# KiCad board 4-ch-backplane.kicad_pcb (continued)
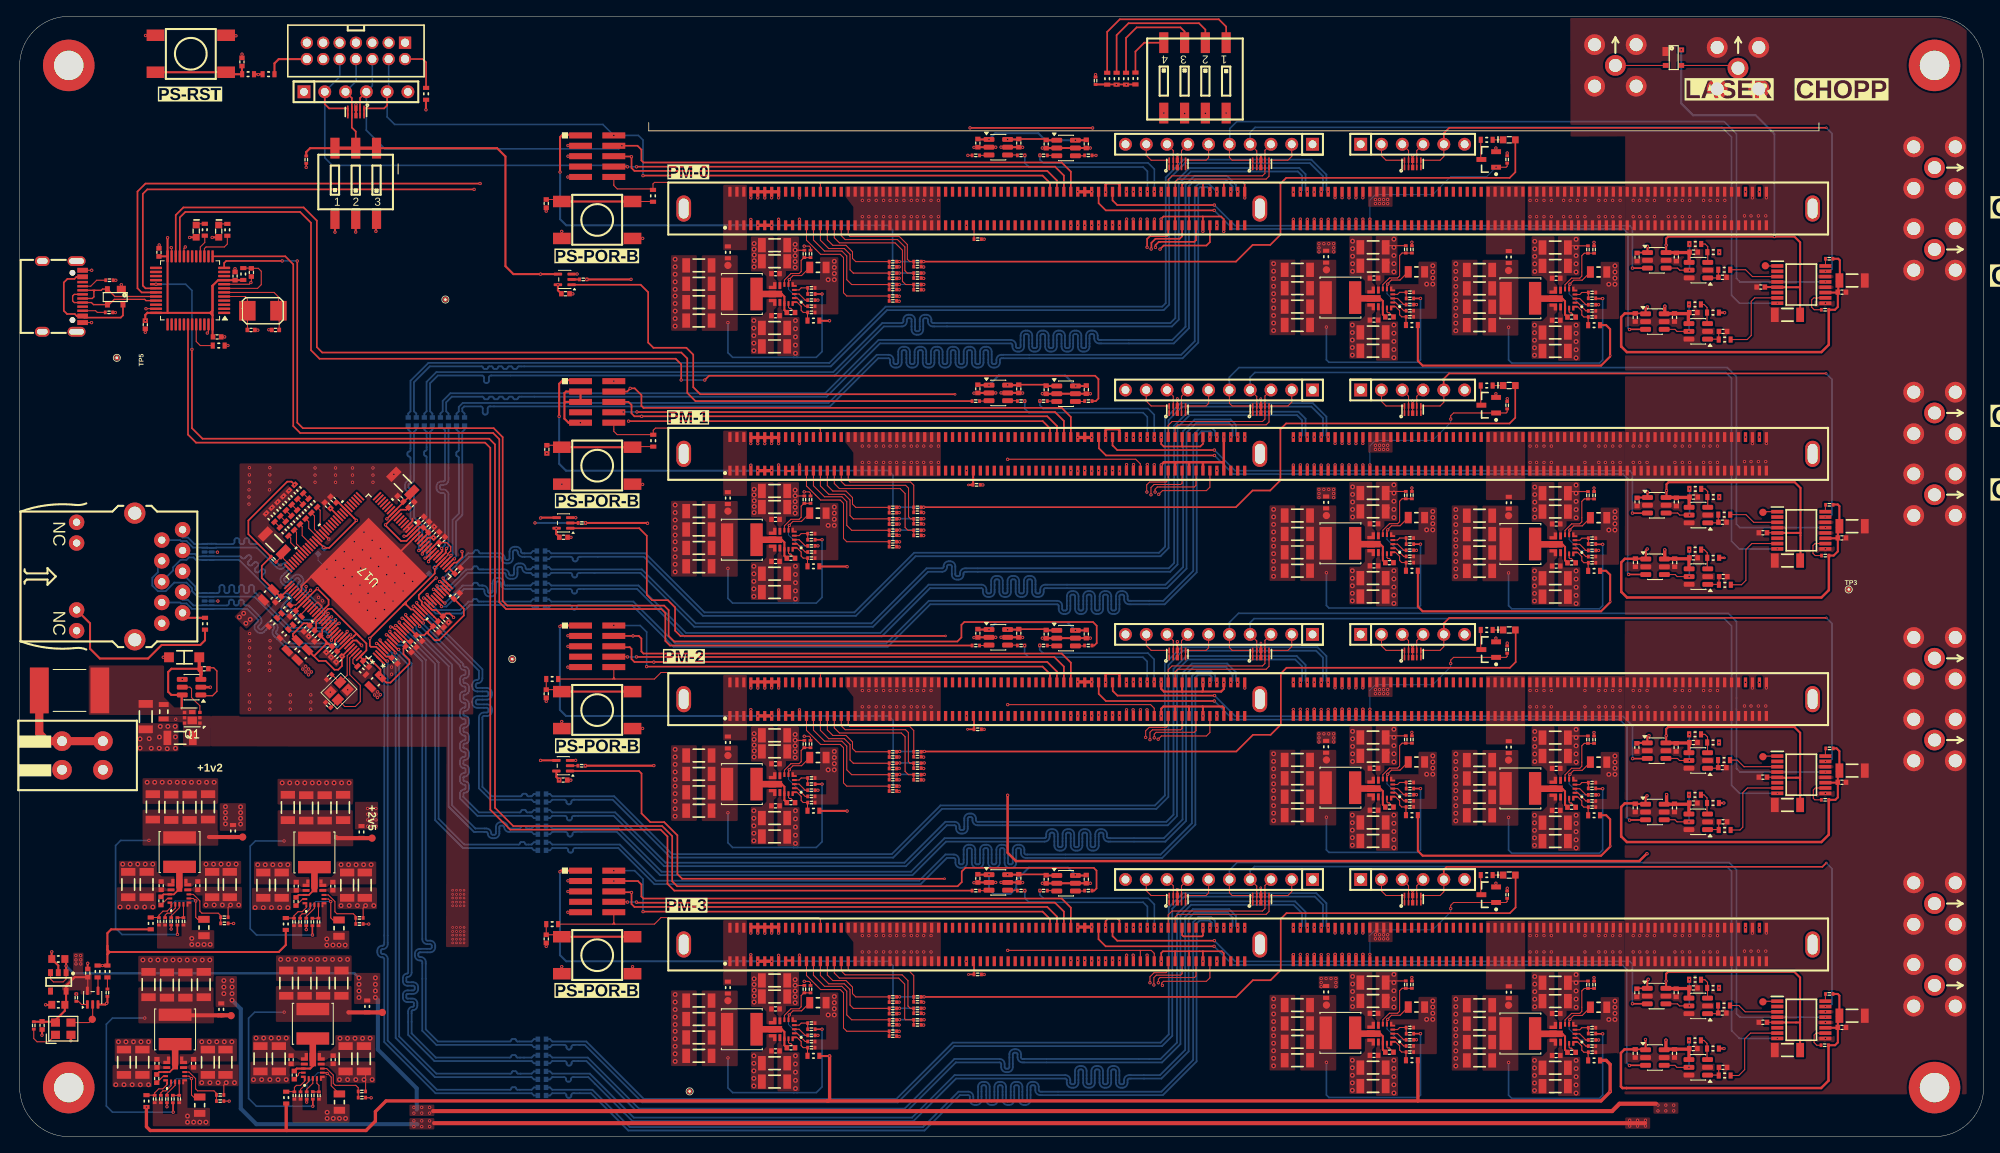
[diagram p0: board, top side]
## Placement (name value [footprint] x y rotation side) (continued)
J22  1x6 Header  [100_1_6]  170.23 121.36 0 top
J23  1x6 Header  [100_1_6]  170.23 91.31 0 top
J24  1x6 Header  [100_1_6]  41.09 127.77 0 top
J26  KH-SMA-K513-G  [SMA-J-P-RA-TH1]  234 58.5 270 top
J27  KH-SMA-K513-G  [SMA-J-P-RA-TH1]  234 48.5 270 top
J28  1x6 Header  [100_1_6]  170.23 61.42 0 top
J29  1x10 Header  [100_1_10]  146.56 61.42 180 top
J32  KH-SMA-K513-G  [SMA-J-P-RA-TH1]  234 28.5 270 top
J33  KH-SMA-K513-G  [SMA-J-P-RA-TH1]  234 18.5 270 top
J34  1x6 Header  [100_1_6]  170.23 31.44 0 top
J35  ~  [90414-15011-21]  150.12 23.5 0 top
J36  1x10 Header  [100_1_10]  146.56 31.44 180 top
J37  20021121-00010T4LF  [FTSH-105-05-F-DV]  70.57 59.96 270 top
J40  20021121-00010T4LF  [FTSH-105-05-F-DV]  70.57 29.99 270 top
L4  2.2UH 4.7A  [IND_VLS5045EX-3R3N]  161.4 102.61 180 top
L5  3.3 µH 4.2A  [IND_VLS5045EX-3R3N]  183.39 102.52 180 top
L6  3.3 µH 4.2A  [IND_VLS5045EX-3R3N]  88.25 103.05 180 top
L7  3.3 µH 4.2A  [IND_VLS5045EX-3R3N]  35.83 13.8 90 top
L8  3.3 µH 4.2A  [IND_VLS5045EX-3R3N]  36.02 34.76 90 top
L9  2.2UH 4.7A  [IND_VLS5045EX-3R3N]  19.54 34.79 90 top
L11  3.3 µH 4.2A  [IND_VLS5045EX-3R3N]  19 13.11 90 top
L12  3.3 µH 4.2A  [IND_VLS5045EX-3R3N]  88.25 73 180 top
L13  3.3 µH 4.2A  [IND_VLS5045EX-3R3N]  183.39 72.47 180 top
L14  2.2UH 4.7A  [IND_VLS5045EX-3R3N]  161.4 72.56 180 top
L15  3.3 µH 4.2A  [IND_VLS5045EX-3R3N]  88.25 43.11 180 top
L16  3.3 µH 4.2A  [IND_VLS5045EX-3R3N]  183.39 42.58 180 top
L17  2.2UH 4.7A  [IND_VLS5045EX-3R3N]  161.4 42.67 180 top
L18  3.3 µH 4.2A  [IND_VLS5045EX-3R3N]  88.25 13.13 180 top
L19  3.3 µH 4.2A  [IND_VLS5045EX-3R3N]  183.39 12.61 180 top
L20  2.2UH 4.7A  [IND_VLS5045EX-3R3N]  161.4 12.7 180 top
M1  -  [M3]  6 6 0 top
M2  -  [M3]  6 131 0 top
M3  -  [M3]  234 131 0 top
M4  -  [M3]  234 6 0 top
Q1  HSCB6014  [Diodes_UDFN2020-6_Type-F]  21.09 51.23 180 top
Q4  FDV301N  [SOT-23]  179.52 119.5 180 top
Q5  FDV301N  [SOT-23]  179.52 89.45 180 top
Q6  FDV301N  [SOT-23]  179.52 59.56 180 top
Q7  FDV301N  [SOT-23]  179.52 29.59 180 top
R1  40.2kΩ  [R0402_0.40MM_HD]  35.77 26.26 270 top
R2  14kΩ  [R0402_0.40MM_HD]  19.28 26.33 270 top
R3  100Ω  [R0603_0.55MM_HD]  77.4 115.05 90 top
R4  100Ω  [R0603_0.55MM_HD]  77.43 85.11 90 top
R5  40.2kΩ  [R0402_0.40MM_HD]  34.27 26.26 90 top
R6  10kΩ  [R0402_0.40MM_HD]  131.47 129.12 270 top
R7  3.74kΩ  [R0402_0.40MM_HD]  170.14 108.51 270 top
R8  4.7kΩ  [R0603_0.55MM_HD]  24.32 96.74 180 top
R9  26.1kΩ  [R0402_0.40MM_HD]  18.72 4.6 270 top
R10  3.74kΩ  [R0402_0.40MM_HD]  192.4 108.49 270 top
R11  3.74kΩ  [R0402_0.40MM_HD]  96.64 107.95 270 top
R12  3.74kΩ  [R0402_0.40MM_HD]  41.82 4.78 180 top
R13  10kΩ  [R0402_0.40MM_HD]  31.03 70.6 135 top
R14  3.74kΩ  [R0402_0.40MM_HD]  170.14 78.46 270 top
R15  3.74kΩ  [R0402_0.40MM_HD]  192.4 78.44 270 top
R16  10kΩ  [R0402_0.40MM_HD]  6.92 17 90 top
R17  100Ω  [R0603_0.55MM_HD]  206.96 108.16 180 top
R18  100Ω  [R0603_0.55MM_HD]  204.76 109.16 180 top  (not fitted)
R19  100Ω  [R0603_0.55MM_HD]  204.76 79.21 180 top  (not fitted)
R20  100Ω  [R0603_0.55MM_HD]  206.96 78.21 180 top
R21  3.74kΩ  [R0402_0.40MM_HD]  96.64 77.9 270 top
R22  100Ω  [R0603_0.55MM_HD]  206.93 100.77 180 top
R23  10kΩ  [R0402_0.40MM_HD]  1.72 13.6 90 top
R24  12kΩ  [R0402_0.40MM_HD]  169.89 100.26 180 top  (not fitted)
R25  12kΩ  [R0402_0.40MM_HD]  192.15 100.24 180 top  (not fitted)
R26  1kΩ  [R0603_0.55MM_HD]  179.27 121.9 0 top
R27  1kΩ  [R0603_0.55MM_HD]  179.27 91.85 0 top
R28  10kΩ  [R0402_0.40MM_HD]  117.07 109.75 180 top
R29  10kΩ  [R0402_0.40MM_HD]  116.94 79.71 180 top
R30  90.9kΩ  [R0402_0.40MM_HD]  35.82 5.04 270 top
R31  90.9kΩ  [R0402_0.40MM_HD]  181.77 119.5 270 top
R32  3.74kΩ  [R0402_0.40MM_HD]  41.52 26.01 180 top
R33  3.74kΩ  [R0402_0.40MM_HD]  25.02 26.08 180 top
R34  3.74kΩ  [R0402_0.40MM_HD]  24.5 4.35 180 top
R35  100Ω  [R0603_0.55MM_HD]  206.95 70.79 180 top
R36  10kΩ  [R0402_0.40MM_HD]  169.89 101.76 0 top
R37  24.9kΩ  [R0402_0.40MM_HD]  169.39 108.51 90 top
R38  24.9kΩ  [R0402_0.40MM_HD]  191.65 108.49 90 top
R39  24.9kΩ  [R0402_0.40MM_HD]  95.89 107.95 90 top
R40  24.9kΩ  [R0402_0.40MM_HD]  41.82 5.53 0 top
R41  24.9kΩ  [R0402_0.40MM_HD]  169.39 78.46 90 top
R42  24.9kΩ  [R0402_0.40MM_HD]  191.65 78.44 90 top
R43  24.9kΩ  [R0402_0.40MM_HD]  95.89 77.9 90 top
R44  24.9kΩ  [R0402_0.40MM_HD]  41.52 26.76 0 top
R45  100Ω  [R0603_0.55MM_HD]  27.91 129.93 180 top
R46  10kΩ  [R0402_0.40MM_HD]  192.15 101.74 0 top
R47  10kΩ  [R0402_0.40MM_HD]  220.62 101.12 0 top
R48  24.9kΩ  [R0402_0.40MM_HD]  25.02 26.83 0 top
R49  10kΩ  [R0402_0.40MM_HD]  96.75 102.3 0 top
R50  10kΩ  [R0402_0.40MM_HD]  35.07 5.03 270 top
R51  10kΩ  [R0402_0.40MM_HD]  169.89 71.71 0 top
R52  10kΩ  [R0402_0.40MM_HD]  192.15 71.69 0 top
R53  10kΩ  [R0402_0.40MM_HD]  96.75 72.25 0 top
R56  90.9kΩ  [R0402_0.40MM_HD]  181.77 89.45 270 top
R59  90.9kΩ  [R0402_0.40MM_HD]  96.75 103.05 0 top
R60  10kΩ  [R0402_0.40MM_HD]  169.89 103.26 180 top
R61  10kΩ  [R0402_0.40MM_HD]  192.15 103.24 180 top
R62  10kΩ  [R0402_0.40MM_HD]  96.75 103.8 180 top
R63  24.9kΩ  [R0402_0.40MM_HD]  24.5 5.1 0 top
R64  10kΩ  [R0402_0.40MM_HD]  117.07 49.81 180 top
R65  10kΩ  [R0402_0.40MM_HD]  117.07 19.84 180 top
R66  10kΩ  [R0402_0.40MM_HD]  36.57 5.03 90 top
R67  0Ω  [R0603_0.55MM_HD]  170.14 99.26 180 top
R68  12kΩ  [R0402_0.40MM_HD]  10.72 17.6 90 top
R69  40.2kΩ  [R0402_0.40MM_HD]  169.89 101.01 180 top
R70  0Ω  [R0603_0.55MM_HD]  9.53 20.2 90 top
R71  0Ω  [R0603_0.55MM_HD]  10.72 20.2 90 top
R72  10kΩ  [R0402_0.40MM_HD]  169.89 73.21 180 top
R73  0Ω  [R0603_0.55MM_HD]  192.4 99.24 180 top
R74  10kΩ  [R0402_0.40MM_HD]  192.15 73.19 180 top
R75  12kΩ  [R0402_0.40MM_HD]  33.52 26.26 90 top  (not fitted)
R76  40.2kΩ  [R0402_0.40MM_HD]  192.15 100.99 180 top
R79  10kΩ  [R0402_0.40MM_HD]  96.75 73.75 180 top
R80  10kΩ  [R0402_0.40MM_HD]  36.52 26.26 90 top
R81  90.9kΩ  [R0402_0.40MM_HD]  192.14 102.52 0 top
R82  0Ω  [R0603_0.55MM_HD]  181.97 107.57 90 top
R83  0Ω  [R0603_0.55MM_HD]  159.65 107.61 90 top
R84  90.9kΩ  [R0402_0.40MM_HD]  96.75 73 0 top
R85  0Ω  [R0603_0.55MM_HD]  86.55 108.14 90 top
R86  0Ω  [R0603_0.55MM_HD]  97 99.8 180 top
R87  12kΩ  [R0402_0.40MM_HD]  17.02 26.33 90 top  (not fitted)
R88  40.2kΩ  [R0402_0.40MM_HD]  96.75 101.55 180 top
R91  10kΩ  [R0402_0.40MM_HD]  20.02 26.33 90 top
R92  10kΩ  [R0402_0.40MM_HD]  19.5 4.6 90 top
R93  0Ω  [R0603_0.55MM_HD]  32.57 4.78 90 top
R94  12kΩ  [R0402_0.40MM_HD]  16.5 4.6 90 top  (not fitted)
R95  40.2kΩ  [R0402_0.40MM_HD]  34.32 5.03 90 top
R96  0Ω  [R0603_0.55MM_HD]  22.65 62.72 270 top  (not fitted)
R98  10kΩ  [R0402_0.40MM_HD]  35.02 26.26 90 top
R99  10kΩ  [R0402_0.40MM_HD]  18.52 26.33 90 top
R100  90.9kΩ  [R0402_0.40MM_HD]  192.14 72.47 0 top
R101  0Ω  [R0603_0.55MM_HD]  42.47 15.92 90 top
R104  0Ω  [R0603_0.55MM_HD]  32.52 26.01 90 top
R105  40.2kΩ  [R0402_0.40MM_HD]  17.77 26.33 90 top
R106  40.2kΩ  [R0402_0.40MM_HD]  17.25 4.6 90 top
R107  10kΩ  [R0402_0.40MM_HD]  18 4.6 90 top
R108  12kΩ  [R0402_0.40MM_HD]  96.75 100.8 180 top  (not fitted)
R109  0Ω  [R0603_0.55MM_HD]  41.77 37.26 90 top
R110  0Ω  [R0603_0.55MM_HD]  16.02 26.08 90 top
R111  0Ω  [R0603_0.55MM_HD]  30.41 129.93 0 top
R112  0Ω  [R0603_0.55MM_HD]  49.66 127.52 90 top
R113  40.2kΩ  [R0402_0.40MM_HD]  169.89 70.96 180 top
R114  40.2kΩ  [R0402_0.40MM_HD]  192.15 70.94 180 top
R115  12kΩ  [R0402_0.40MM_HD]  33.57 5.03 90 top  (not fitted)
R116  12kΩ  [R0402_0.40MM_HD]  169.89 70.21 180 top  (not fitted)
R117  0Ω  [R0603_0.55MM_HD]  26.07 37.38 90 top
R118  0Ω  [R0603_0.55MM_HD]  24.64 15.57 90 top
R119  0Ω  [R0603_0.55MM_HD]  15.5 4.35 90 top
R120  0Ω  [R0603_0.55MM_HD]  170.14 69.21 180 top
R121  0Ω  [R0603_0.55MM_HD]  192.4 69.19 180 top
R122  40.2kΩ  [R0402_0.40MM_HD]  96.75 71.5 180 top
R123  37.4kΩ  [R0402_0.40MM_HD]  169.89 102.5 0 top
R124  12kΩ  [R0402_0.40MM_HD]  192.15 70.19 180 top  (not fitted)
R125  12kΩ  [R0402_0.40MM_HD]  96.75 70.75 180 top  (not fitted)
R126  37.4kΩ  [R0402_0.40MM_HD]  169.89 72.45 0 top
R127  0Ω  [R0805_0.70MM_HD]  17.61 51.97 270 top  (not fitted)
R128  10kΩ  [R0402_0.40MM_HD]  220.64 71.06 0 top
R129  0Ω  [R0603_0.55MM_HD]  86.55 78.09 90 top
R130  0Ω  [R0603_0.55MM_HD]  181.97 77.52 90 top
R131  0Ω  [R0603_0.55MM_HD]  159.65 77.56 90 top
R132  0Ω  [R0603_0.55MM_HD]  97 69.75 180 top
R133  1kΩ  [R0603_0.55MM_HD]  30.93 62.9 45 top
R134  1kΩ  [R0603_0.55MM_HD]  32.03 77.1 315 top
R135  1kΩ  [R0603_0.55MM_HD]  32.72 77.8 315 top
R136  1kΩ  [R0603_0.55MM_HD]  31.32 76.4 315 top
R137  1kΩ  [R0603_0.55MM_HD]  33.43 78.5 315 top
R138  1kΩ  [R0603_0.55MM_HD]  30.62 75.7 315 top
R139  1kΩ  [R0603_0.55MM_HD]  32.32 61.5 45 top
R140  4.7kΩ  [R0603_0.55MM_HD]  27.32 105.49 270 top
R141  0Ω  [R0603_0.55MM_HD]  32.53 64.5 45 top  (not fitted)
R142  0Ω  [R0603_0.55MM_HD]  33.72 75.4 315 top  (not fitted)
R143  0Ω  [R0603_0.55MM_HD]  34.43 76.1 315 top  (not fitted)
R144  0Ω  [R0603_0.55MM_HD]  33.03 74.7 315 top  (not fitted)
R145  0Ω  [R0603_0.55MM_HD]  35.12 76.8 315 top  (not fitted)
R146  0Ω  [R0603_0.55MM_HD]  32.32 74 315 top  (not fitted)
R147  0Ω  [R0603_0.55MM_HD]  33.93 63.1 45 top  (not fitted)
R148  0Ω  [R0603_0.55MM_HD]  34.12 79.2 135 top  (not fitted)
R149  1kΩ  [R0603_0.55MM_HD]  35.82 77.5 135 top
R150  6.04kΩ  [R0603_0.55MM_HD]  41.8 57.01 135 top
R151  1kΩ  [R0603_0.55MM_HD]  179.27 61.96 0 top
R152  90.9kΩ  [R0402_0.40MM_HD]  181.77 59.56 270 top
R153  100Ω  [R0603_0.55MM_HD]  65.07 55.96 0 top
R154  10kΩ  [R0402_0.40MM_HD]  220.62 41.19 0 top
R155  10kΩ  [R0402_0.40MM_HD]  220.58 11.18 0 top
R156  10kΩ  [R0402_0.40MM_HD]  221.12 107.36 0 top
R157  90.9kΩ  [R0402_0.40MM_HD]  96.75 43.11 0 top
R158  90.9kΩ  [R0402_0.40MM_HD]  192.14 42.58 0 top
R159  37.4kΩ  [R0402_0.40MM_HD]  169.89 42.56 0 top
R160  0Ω  [R0603_0.55MM_HD]  86.55 48.2 90 top
R161  0Ω  [R0603_0.55MM_HD]  181.97 47.63 90 top
R162  0Ω  [R0603_0.55MM_HD]  159.65 47.67 90 top
R163  100Ω  [R0603_0.55MM_HD]  204.74 49.2 180 top  (not fitted)
R164  100Ω  [R0603_0.55MM_HD]  206.94 48.2 180 top
R165  100Ω  [R0603_0.55MM_HD]  206.93 40.8 180 top
R166  0Ω  [R0603_0.55MM_HD]  97 39.86 180 top
R167  0Ω  [R0603_0.55MM_HD]  170.14 39.32 180 top
R168  0Ω  [R0603_0.55MM_HD]  192.4 39.3 180 top
R169  12kΩ  [R0402_0.40MM_HD]  169.89 40.32 180 top  (not fitted)
R170  12kΩ  [R0402_0.40MM_HD]  192.15 40.3 180 top  (not fitted)
R171  12kΩ  [R0402_0.40MM_HD]  96.75 40.86 180 top  (not fitted)
R172  40.2kΩ  [R0402_0.40MM_HD]  169.89 41.07 180 top
R173  40.2kΩ  [R0402_0.40MM_HD]  192.15 41.05 180 top
R174  40.2kΩ  [R0402_0.40MM_HD]  96.75 41.61 180 top
R175  24.9kΩ  [R0402_0.40MM_HD]  169.39 48.57 90 top
R176  24.9kΩ  [R0402_0.40MM_HD]  191.65 48.55 90 top
R177  24.9kΩ  [R0402_0.40MM_HD]  95.89 48.01 90 top
R178  3.74kΩ  [R0402_0.40MM_HD]  192.4 48.55 270 top
R179  3.74kΩ  [R0402_0.40MM_HD]  96.64 48.01 270 top
R180  3.74kΩ  [R0402_0.40MM_HD]  170.14 48.57 270 top
R181  10kΩ  [R0402_0.40MM_HD]  169.89 41.82 0 top
R182  10kΩ  [R0402_0.40MM_HD]  192.15 41.8 0 top
R183  10kΩ  [R0402_0.40MM_HD]  96.75 42.36 0 top
R184  10kΩ  [R0402_0.40MM_HD]  169.89 43.32 180 top
R185  10kΩ  [R0402_0.40MM_HD]  192.15 43.3 180 top
R186  10kΩ  [R0402_0.40MM_HD]  96.75 43.86 180 top
R187  10kΩ  [R0402_0.40MM_HD]  221.14 77.27 0 top
R188  10kΩ  [R0402_0.40MM_HD]  221.17 47.48 0 top
R189  1kΩ  [R0603_0.55MM_HD]  179.27 31.99 0 top
R190  90.9kΩ  [R0402_0.40MM_HD]  181.77 29.59 270 top
R191  100Ω  [R0603_0.55MM_HD]  65.07 25.99 0 top
R192  10kΩ  [R0402_0.40MM_HD]  221.13 17.45 0 top
R193  100Ω  [R0603_0.55MM_HD]  208.36 97.47 180 top
R194  100Ω  [R0603_0.55MM_HD]  208.38 67.49 180 top
R195  90.9kΩ  [R0402_0.40MM_HD]  96.75 13.13 0 top
R196  90.9kΩ  [R0402_0.40MM_HD]  192.14 12.61 0 top
R197  37.4kΩ  [R0402_0.40MM_HD]  169.89 12.59 0 top
R198  0Ω  [R0603_0.55MM_HD]  86.55 18.23 90 top
R199  0Ω  [R0603_0.55MM_HD]  181.97 17.66 90 top
R200  0Ω  [R0603_0.55MM_HD]  159.65 17.7 90 top
R201  100Ω  [R0603_0.55MM_HD]  204.74 19.19 180 top  (not fitted)
R202  100Ω  [R0603_0.55MM_HD]  206.94 18.19 180 top
R203  100Ω  [R0603_0.55MM_HD]  206.93 10.78 180 top
R204  0Ω  [R0603_0.55MM_HD]  97 9.88 180 top
R205  0Ω  [R0603_0.55MM_HD]  170.14 9.34 180 top
R206  0Ω  [R0603_0.55MM_HD]  192.4 9.32 180 top
R207  12kΩ  [R0402_0.40MM_HD]  169.89 10.34 180 top  (not fitted)
R208  12kΩ  [R0402_0.40MM_HD]  192.15 10.32 180 top  (not fitted)
R209  12kΩ  [R0402_0.40MM_HD]  96.75 10.88 180 top  (not fitted)
R210  40.2kΩ  [R0402_0.40MM_HD]  169.89 11.09 180 top
R211  40.2kΩ  [R0402_0.40MM_HD]  192.15 11.07 180 top
R212  40.2kΩ  [R0402_0.40MM_HD]  96.75 11.63 180 top
R213  24.9kΩ  [R0402_0.40MM_HD]  169.39 18.59 90 top
R214  24.9kΩ  [R0402_0.40MM_HD]  191.65 18.57 90 top
R215  24.9kΩ  [R0402_0.40MM_HD]  95.89 18.04 90 top
R216  3.74kΩ  [R0402_0.40MM_HD]  192.4 18.57 270 top
R217  3.74kΩ  [R0402_0.40MM_HD]  96.64 18.04 270 top
R218  3.74kΩ  [R0402_0.40MM_HD]  170.14 18.59 270 top
R219  10kΩ  [R0402_0.40MM_HD]  169.89 11.84 0 top
R220  10kΩ  [R0402_0.40MM_HD]  192.15 11.82 0 top
R221  10kΩ  [R0402_0.40MM_HD]  96.75 12.38 0 top
R222  10kΩ  [R0402_0.40MM_HD]  169.89 13.34 180 top
R223  10kΩ  [R0402_0.40MM_HD]  192.15 13.32 180 top
R224  10kΩ  [R0402_0.40MM_HD]  96.75 13.88 180 top
R225  100Ω  [R0603_0.55MM_HD]  208.36 37.5 180 top
R226  100Ω  [R0603_0.55MM_HD]  208.36 7.47 180 top
R227  100Ω  [R0603_0.55MM_HD]  208.3 106.01 180 top
R228  100Ω  [R0603_0.55MM_HD]  208.3 76.06 180 top
R229  100Ω  [R0603_0.55MM_HD]  208.28 46.05 180 top
R230  100Ω  [R0603_0.55MM_HD]  208.28 16.04 180 top
R231  100Ω  [R0603_0.55MM_HD]  204.73 101.77 180 top  (not fitted)
R232  100Ω  [R0603_0.55MM_HD]  204.75 71.79 180 top  (not fitted)
R233  100Ω  [R0603_0.55MM_HD]  204.73 41.8 180 top  (not fitted)
R234  100Ω  [R0603_0.55MM_HD]  204.73 11.78 180 top  (not fitted)
R235  1kΩ  [R0603_0.55MM_HD]  132.9 129.38 270 top
R236  1kΩ  [R0603_0.55MM_HD]  134.05 129.38 270 top
R237  1kΩ  [R0603_0.55MM_HD]  135.2 129.38 270 top
R238  1kΩ  [R0603_0.55MM_HD]  136.35 129.4 270 top
R242  5.1kΩ  [R0402_0.40MM_HD]  10.97 104.73 180 top
R243  5.1kΩ  [R0402_0.40MM_HD]  10.91 100.8 180 top
R244  0Ω  [R0402_0.40MM_HD]  106.71 107 0 top  (not fitted)
R245  0Ω  [R0402_0.40MM_HD]  106.71 76.95 0 top  (not fitted)
R246  0Ω  [R0402_0.40MM_HD]  106.71 47.06 0 top  (not fitted)
R247  0Ω  [R0402_0.40MM_HD]  106.71 17.09 0 top  (not fitted)
R248  0Ω  [R0402_0.40MM_HD]  106.71 106.36 0 top  (not fitted)
R249  0Ω  [R0402_0.40MM_HD]  106.71 76.31 0 top  (not fitted)
R250  0Ω  [R0402_0.40MM_HD]  106.71 46.42 0 top  (not fitted)
R251  0Ω  [R0402_0.40MM_HD]  106.71 16.45 0 top  (not fitted)
R252  0Ω  [R0402_0.40MM_HD]  109.71 104.2 0 top  (not fitted)
R253  0Ω  [R0402_0.40MM_HD]  109.71 103.58 0 top  (not fitted)
R254  0Ω  [R0402_0.40MM_HD]  109.71 74.15 0 top  (not fitted)
R255  0Ω  [R0402_0.40MM_HD]  109.71 73.53 0 top  (not fitted)
R256  0Ω  [R0402_0.40MM_HD]  109.71 44.26 0 top  (not fitted)
R257  0Ω  [R0402_0.40MM_HD]  109.71 43.64 0 top  (not fitted)
R258  0Ω  [R0402_0.40MM_HD]  109.71 14.29 0 top  (not fitted)
R259  0Ω  [R0402_0.40MM_HD]  109.71 13.67 0 top  (not fitted)
R260  0Ω  [R0402_0.40MM_HD]  109.71 105.6 0 top  (not fitted)
R261  0Ω  [R0402_0.40MM_HD]  109.71 105 0 top  (not fitted)
R262  0Ω  [R0402_0.40MM_HD]  109.71 75.55 0 top  (not fitted)
R263  0Ω  [R0402_0.40MM_HD]  109.71 74.95 0 top  (not fitted)
R264  0Ω  [R0402_0.40MM_HD]  109.71 45.66 0 top  (not fitted)
R265  0Ω  [R0402_0.40MM_HD]  109.71 45.06 0 top  (not fitted)
R266  0Ω  [R0402_0.40MM_HD]  109.71 15.69 0 top  (not fitted)
R267  0Ω  [R0402_0.40MM_HD]  109.71 15.09 0 top  (not fitted)
R268  0Ω  [R0402_0.40MM_HD]  106.71 102.8 0 top  (not fitted)
R269  0Ω  [R0402_0.40MM_HD]  106.71 102.2 0 top  (not fitted)
R270  0Ω  [R0402_0.40MM_HD]  106.71 104.2 0 top  (not fitted)
R271  0Ω  [R0402_0.40MM_HD]  106.71 103.6 0 top  (not fitted)
R272  0Ω  [R0402_0.40MM_HD]  106.71 105.6 0 top  (not fitted)
R273  0Ω  [R0402_0.40MM_HD]  106.71 104.96 0 top  (not fitted)
R274  0Ω  [R0402_0.40MM_HD]  106.71 72.75 0 top  (not fitted)
R275  0Ω  [R0402_0.40MM_HD]  106.71 72.15 0 top  (not fitted)
R276  0Ω  [R0402_0.40MM_HD]  106.71 74.15 0 top  (not fitted)
R277  0Ω  [R0402_0.40MM_HD]  106.71 73.55 0 top  (not fitted)
R278  0Ω  [R0402_0.40MM_HD]  106.71 75.55 0 top  (not fitted)
R279  0Ω  [R0402_0.40MM_HD]  106.71 74.91 0 top  (not fitted)
R280  0Ω  [R0402_0.40MM_HD]  106.71 42.86 0 top  (not fitted)
R281  0Ω  [R0402_0.40MM_HD]  106.71 42.26 0 top  (not fitted)
R282  0Ω  [R0402_0.40MM_HD]  106.71 44.26 0 top  (not fitted)
R283  0Ω  [R0402_0.40MM_HD]  106.71 43.66 0 top  (not fitted)
R284  0Ω  [R0402_0.40MM_HD]  106.71 45.66 0 top  (not fitted)
R285  0Ω  [R0402_0.40MM_HD]  106.71 45.02 0 top  (not fitted)
R286  0Ω  [R0402_0.40MM_HD]  106.71 12.89 0 top  (not fitted)
R287  0Ω  [R0402_0.40MM_HD]  106.71 12.29 0 top  (not fitted)
R288  0Ω  [R0402_0.40MM_HD]  106.71 14.29 0 top  (not fitted)
R289  0Ω  [R0402_0.40MM_HD]  106.71 13.69 0 top  (not fitted)
R290  0Ω  [R0402_0.40MM_HD]  106.71 15.69 0 top  (not fitted)
R291  0Ω  [R0402_0.40MM_HD]  106.71 15.05 0 top  (not fitted)
R292  0Ω  [R0402_0.40MM_HD]  109.71 107 0 top  (not fitted)
R293  0Ω  [R0402_0.40MM_HD]  109.71 106.4 0 top  (not fitted)
R294  0Ω  [R0402_0.40MM_HD]  109.71 76.95 0 top  (not fitted)
R295  0Ω  [R0402_0.40MM_HD]  109.71 76.35 0 top  (not fitted)
R296  0Ω  [R0402_0.40MM_HD]  109.71 47.06 0 top  (not fitted)
R297  0Ω  [R0402_0.40MM_HD]  109.71 46.46 0 top  (not fitted)
R298  0Ω  [R0402_0.40MM_HD]  109.71 17.09 0 top  (not fitted)
R299  0Ω  [R0402_0.40MM_HD]  109.71 16.49 0 top  (not fitted)
R300  0Ω  [R0402_0.40MM_HD]  122.38 120 0 top
R301  1kΩ  [R0603_0.55MM_HD]  25.38 110.89 90 top
R302  1kΩ  [R0603_0.55MM_HD]  22.62 110.91 90 top
R303  0Ω  [R0402_0.40MM_HD]  116.84 120 0 top
R304  0Ω  [R0402_0.40MM_HD]  130.59 120 180 top
R305  0Ω  [R0402_0.40MM_HD]  125.12 120 180 top
R306  0Ω  [R0402_0.40MM_HD]  122.38 89.95 0 top
R307  0Ω  [R0402_0.40MM_HD]  125.12 89.95 180 top
R308  0Ω  [R0402_0.40MM_HD]  116.84 89.95 0 top
R309  0Ω  [R0402_0.40MM_HD]  130.59 89.95 180 top
R310  0Ω  [R0402_0.40MM_HD]  122.38 60.06 0 top
R311  0Ω  [R0402_0.40MM_HD]  125.12 60.06 180 top
R312  0Ω  [R0402_0.40MM_HD]  116.84 60.06 0 top
R313  0Ω  [R0402_0.40MM_HD]  130.59 60.06 180 top
R314  0Ω  [R0402_0.40MM_HD]  122.38 30.09 0 top
R315  0Ω  [R0402_0.40MM_HD]  125.12 30.09 180 top
R316  0Ω  [R0402_0.40MM_HD]  116.84 30.09 0 top
R317  0Ω  [R0402_0.40MM_HD]  130.59 30.09 180 top
R318  0Ω  [R0402_0.40MM_HD]  68.87 104.83 180 top
R319  0Ω  [R0402_0.40MM_HD]  68.71 75.05 180 top
R320  0Ω  [R0402_0.40MM_HD]  68.68 45.36 180 top
R321  0Ω  [R0402_0.40MM_HD]  35.03 119.47 90 top
SW1  -  [219-4MST]  143.62 129.47 180 top
SW6  -  [FSM4JSMATR]  70.57 112.1 90 top
SW7  -  [FSM4JSMATR]  70.57 82.05 90 top
SW8  -  [FSM4JSMATR]  20.91 132.43 270 top
SW11  -  [FSM4JSMATR]  70.57 52.16 90 top
SW13  -  [FSM4JSMATR]  70.57 22.19 90 top
TP1  GND  [SMT_TP-25_GND]  52.03 102.37 0 top
TP2  GND  [SMT_TP-25_GND]  60.19 58.4 0 top
TP3  GND  [SMT_TP-25_GND]  223.51 66.91 0 top
TP4  GND  [SMT_TP-25_GND]  81.88 5.53 0 top
TP5  GND  [SMT_TP-25_GND]  11.88 95.24 270 top
TP7  SMT Testpoint 35mil  [SMT_TP-35]  159.69 106.01 0 top
TP8  SMT Testpoint 35mil  [SMT_TP-35#2]  181.95 105.99 0 top
TP9  SMT Testpoint 35mil  [SMT_TP-35]  86.55 106.55 0 top
TP10  SMT Testpoint 35mil  [SMT_TP-35#5]  43.5 15.12 270 top
TP11  SMT Testpoint 35mil  [SMT_TP-35]  159.69 75.96 0 top
TP12  SMT Testpoint 35mil  [SMT_TP-35#6]  39.52 36.51 180 top
TP13  SMT Testpoint 35mil  [SMT_TP-35#3]  26.82 36.64 180 top
TP14  SMT Testpoint 35mil  [SMT_TP-35#4]  20.7 14.8 180 top
TP15  SMT Testpoint 35mil  [SMT_TP-35]  181.95 75.94 0 top
TP16  SMT Testpoint 35mil  [SMT_TP-35]  86.55 76.5 0 top
TP17  SMT Testpoint 35mil  [SMT_TP-35]  8.88 14.35 0 top
TP18  SMT Testpoint 35mil  [SMT_TP-35]  159.69 46.07 0 top
TP19  SMT Testpoint 35mil  [SMT_TP-35]  181.95 46.05 0 top
TP20  SMT Testpoint 35mil  [SMT_TP-35]  86.55 46.61 0 top
TP21  SMT Testpoint 35mil  [SMT_TP-35]  159.69 16.09 0 top
TP22  SMT Testpoint 35mil  [SMT_TP-35]  181.95 16.07 0 top
TP23  SMT Testpoint 35mil  [SMT_TP-35]  86.55 16.63 0 top
TP24  SMT Testpoint 35mil  [SMT_TP-35#7]  213.02 106.4 180 top
TP25  SMT Testpoint 35mil  [SMT_TP-35]  213.02 76.35 180 top
TP26  SMT Testpoint 35mil  [SMT_TP-35]  213.02 46.46 180 top
TP27  SMT Testpoint 35mil  [SMT_TP-35]  213.02 16.49 180 top
U1  LM74700QDBVRQ1  [SOT-23-6]  21.01 54.97 180 top
U2  TPS543320RPYR  [TPS62918QRPYRQ1]  36.02 29.76 90 top
U3  TPS543320RPYR  [TPS62918QRPYRQ1]  19.52 29.83 90 top
U4  74LVC1T45W6-7  [SOT-23-6]  199.82 99.67 0 top
U5  TLV3501AIDBVR  [SOT-23-6]  205.15 105.96 180 top
U6  74LVC1T45W6-7  [SOT-23-6]  199.85 69.69 0 top
U7  TLV3501AIDBVR  [SOT-23-6]  205.15 76.01 180 top
U8  74LVC1T45W6-7  [SOT-23-6]  200.06 107.16 0 top
U9  74LVC1T45W6-7  [SOT-23-6]  200.06 77.21 0 top
U10  TPS7A2033PDBVR  [SOT23-5]  4.72 18.92 270 top
U13  SN74LVC1G125DCKR  [SOT-353_SC-70-5]  8.92 17 90 top
U16  PRTR5V0U2X,215  [SOT143B]  202.1 131.95 270 top
U17  KSZ9896CTXC  [TQFP128_EP_TX_MCH]  42.64 68.5 135 top
U18  TPS543320RPYR  [TPS62918QRPYRQ1]  19 8.1 90 top
U19  -  [TPS543620RPYR]  166.39 102.51 180 top
U20  -  [TPS543620RPYR]  188.65 102.49 180 top
U21  -  [TPS543620RPYR]  93.25 103.05 180 top
U22  -  [TPS543620RPYR]  35.82 8.53 90 top
U23  -  [TPS543620RPYR]  166.39 72.46 180 top
U24  -  [TPS543620RPYR]  188.65 72.44 180 top
U25  -  [TPS543620RPYR]  93.25 73 180 top
U27  74LVC1T45W6-7  [SOT-23-6]  199.82 39.7 0 top
U28  74LVC1T45W6-7  [SOT-23-6]  200.04 47.2 0 top
U29  TLV3501AIDBVR  [SOT-23-6]  205.12 46 180 top
U30  -  [TPS543620RPYR]  166.39 42.57 180 top
U31  -  [TPS543620RPYR]  188.65 42.55 180 top
U32  -  [TPS543620RPYR]  93.25 43.11 180 top
U33  74LVC1T45W6-7  [SOT-23-6]  199.82 9.67 0 top
U34  74LVC1T45W6-7  [SOT-23-6]  200.04 17.19 0 top
U35  TLV3501AIDBVR  [SOT-23-6]  205.12 15.99 180 top
U36  -  [TPS543620RPYR]  166.39 12.59 180 top
U37  -  [TPS543620RPYR]  188.65 12.57 180 top
U38  -  [TPS543620RPYR]  93.25 13.13 180 top
U39  SN74LVC1G125DCKR  [SOT-353_SC-70-5]  66.62 104.83 180 top
U40  SN74LVC1G125DCKR  [SOT-353_SC-70-5]  66.46 75.05 180 top
U41  SN74LVC1G125DCKR  [SOT-353_SC-70-5]  66.43 45.36 180 top
U42  CH344L  [LQFP-48_7x7mm_P0.5mm]  20.82 103.49 180 top
U43  TLV3501AIDBVR  [SOT-23-6]  205.12 98.47 180 top
U44  TLV3501AIDBVR  [SOT-23-6]  205.15 68.49 180 top
U45  TLV3501AIDBVR  [SOT-23-6]  205.12 38.5 180 top
U46  TLV3501AIDBVR  [SOT-23-6]  205.12 8.47 180 top
U47  AD5697RBRUZ  [SOP65P640X120-16N]  217.73 104.2 0 top
U48  AD5697RBRUZ  [SOP65P640X120-16N]  217.73 74.15 0 top
U49  AD5697RBRUZ  [SOP65P640X120-16N]  217.73 44.26 0 top
U50  AD5697RBRUZ  [SOP65P640X120-16N]  217.73 14.29 0 top
U51  PRTR5V0U2X,215  [SOT143B]  11.68 102.7 180 top
U52  74LVC1T45W6-7  [SOT-23-6]  119.59 121 0 top
U53  74LVC1T45W6-7  [SOT-23-6]  127.88 120.9 0 top
U54  74LVC1T45W6-7  [SOT-23-6]  119.59 90.95 0 top
U55  74LVC1T45W6-7  [SOT-23-6]  127.88 90.85 0 top
U56  74LVC1T45W6-7  [SOT-23-6]  119.59 61.06 0 top
U57  74LVC1T45W6-7  [SOT-23-6]  127.88 60.96 0 top
U58  74LVC1T45W6-7  [SOT-23-6]  119.59 31.09 0 top
U59  74LVC1T45W6-7  [SOT-23-6]  127.88 30.99 0 top
USB2  U262-16XN-4BVC11  [USB-3.1-SMD_U262-161N-4BVC11]  5.23 102.75 270 top
X1  8MHZ  [ABM3]  29.72 101 0 top
Y1  SiT8008BI-12-33E-1.000000  [OSC-SMD_4P-L2.5-W2.0-P1.50-BL]  5.33 13.2 0 top
Y2  25 MHz  [XTAL_ECS-250-18-36B-CKY-TR]  39.03 54.5 225 top

## Library data of the parts
C1-C27 C35 C37-C43 C47 C49-C55 C72 C155 C213 C218 C220 C228-C239 C266 C273-C284 C320 = -: Description: CAP CER 10UF 25V X7S 1206; Manufacturer: Murata Electronics; Manufacturer Part Number: GCJ31CC71E106KA15L; cad-reference: GCJ31CC71E106KA15L; ki_fp_filters: example:C1206_2.00MM_MD
C28-C34 C44-C46 C249 C250 C253 C294-C296 = -: Description: CAP CER 2.2UF 16V X7R 0805; Manufacturer: Murata Electronics; Manufacturer Part Number: GCJ21BR71C225KA13L; cad-reference: GCJ21BR71C225KA13L; ki_fp_filters: example:C0805_1.45MM_MD
C36 C48 = -: Description: CAP CER 10UF 35V X5R 1206; Manufacturer: Murata Electronics; Manufacturer Part Number: GRT31CR6YA106KE01L; cad-reference: GRT31CR6YA106KE01L; ki_fp_filters: example:C1206_1.80MM_MD
C56-C69 C73-C75 C80-C85 C92 C93 C104 C105 C114-C117 C126-C145 C150-C154 C156 C157 C164-C212 C214-C217 C219 C221-C227 C240-C248 C267-C272 C285-C293 C309-C315 C318 C319 C321-C333 C335-C350 = -: Description: CAP CER 0.1UF 50V X7R 0402; Manufacturer: Murata Electronics; Manufacturer Part Number: GCM155R71H104KE02J; cad-reference: GCM155R71H104KE02J; ki_fp_filters: example:C0402_0.55MM_MD
C70 C71 = -: Description: CAP CER 1UF 16V X7R 0603; Manufacturer: Murata Electronics; Manufacturer Part Number: GCM188R71C105KA64D; cad-reference: GCM188R71C105KA64D; ki_fp_filters: example:C0603_0.90MM_MD
C76-C79 C86-C91 C94-C103 C106-C113 C118-C125 C146-C149 C254-C265 C297-C308 = -: Description: CAP CER 47UF 10V X5R 1206; Manufacturer: Murata Electronics; Manufacturer Part Number: GRT31CR61A476KE13L; cad-reference: GRT31CR61A476KE13L; ki_fp_filters: example:C1206_1.80MM_MD
C251 C252 C316 C317 = -: Description: CAP CER 18PF 50V C0G/NP0 0402; Temperature Coefficient: Temperature Coefficient; Manufacturer: Murata Electronics; Manufacturer Part Number: GCM1555C1H180JA16D; cad-reference: GCM1555C1H180JA16D; ki_fp_filters: example:C0402_0.55MM_HD
D1 = -: Description: TVS DIODE 18VWM 29.2VC SOD-123FL; Manufacturer: HXY MOSFET
D2 D4-D6 D8-D12 D19 D22-D24 D28 D29 = -: Description: IC REG BUCK ADJ 3A TSOT26; Manufacturer: SEMTECH
D14 D15 D18 D21 D34 D35 = -: Description: 0603 Green 570nm LED Indication - Discrete 2.1V 0603 (1608 Metric); Manufacturer: Kingbright; ki_fp_filters: example:LED-0603-GREEN
FB1-FB4 = -: MCHP-ID: IND1092; ALTIUM_VALUE: 220R; REVISION: B; DESCRIPTION_: FERRITE 2A 220R SMD 0805; STATUS: MCL Design; DEV TOOLS STATUS: Production; COMPONENTLINK1URL: https://chn-vm-apps.microchip.com/mchprepo/parts/Datasheets/L0110S0100BLM21P.pdf; COMPONENTLINK1DESCRIPTION: Datasheet; OPERATING TEMPERATURE: -55C to +125C; PACKAGE: 0805; TYPE: Ferrite Bead; CATEGORY: Inductor; OWNER: Stephen Humberd; DCR: 0.045R; TEST FREQUENCY: 100MHz; MANUFACTURER 1: Murata Electronics North America; MANUFACTURER PART NUMBER 1: BLM21PG221SN1D; SUPPLIER 1: Digi-Key; SUPPLIER PART NUMBER 1: 490-1054-1-ND; POPULATED: YES; QUANTITY OVERRIDE: 1; ki_fp_filters: *IND_C_0805*
FU1 = -: Description: PTC RESET FUSE 15V 3A SMD; Sort Value: *; Category: *; CategorySort: *; Manufacturer: Bel Fuse; Manufacturer Part Number: 0ZCF0300AF2C; cad-reference: MF-R400
J1 = -: Description: 3- SWITCH SLIDE DIP SPST 0.1A 20V; Manufacturer: CTS Electrocomponents; Manufacturer Part Number: 219-3MSTR; cad-reference: 219-3MSTR; ki_fp_filters: example:219-3MST
J2 = -: Description: Generic 2x7 2.00mm pitch header; Manufacturer: MOLEX; Manufacturer Part Number: 878311420; cad-reference: 878311420
J3 = -: Description: 2 Position Wire to Board Terminal Block Horizontal with Board 0.137" (3.50mm) Through Hole; Manufacturer: Wago; ki_fp_filters: example:2601-1102
J4 J12 J18-J21 J26 J27 J32 J33 = -: Description: -55℃~+155℃ 1 50Ω 6GHz Board Side Elbow Inner Bore SMA Plugin Coaxial Connectors (RF) ROHS; Manufacturer: Shenzhen Kinghelm Elec; ki_fp_filters: example:SMA-J-P-RA-TH1
J6 = -: Description: Plugin Ethernet Connectors / Modular Connectors (RJ45 RJ11) ROHS; Manufacturer: HALO ELECTRONICS; ki_fp_filters: example:HFJ11-1G01ERL
J7 J9 J11 J35 = -: Description: 288P DDR5 DIMM SMD,P=0.85mm Memory Connector (DDR) ROHS; Manufacturer: UMAX; Manufacturer Part Number: 90414-15011-21; cad-reference: 90414-15011-21; flags: NO_ALTIUM; ALTIUM_VALUE: DDR4-Module; CAD-REFERENCE: DDR4-Module; KICAD-SYMBOL: DDR4-Module:DDR4-Module; KICAD-FOOTPRINT: DDR4-Module:DDR4-Module; MANUFACTURER: Example; MANUFACTURER PART NUMBER: DDR4-Module
J13 J15 J37 J40 = -: Description: Connector Header Surface Mount 10 position 0.050" (1.27mm); Manufacturer: Amphenol ICC; ki_fp_filters: example:FTSH-105-05-F-DV
J16 J17 J29 J36 = -: Description: Generic 1x10 2.54mm pitch header; Manufacturer: Example; Manufacturer Part Number: 100_1_10; cad-reference: 100_1_10; ki_fp_filters: example:100_1_10
J22-J24 J28 J34 = -: Description: Generic 1x6 2.54mm pitch header; Manufacturer: Example; Manufacturer Part Number: 100_1_6; cad-reference: 100_1_6; ki_fp_filters: example:100_1_6
L4 L9 L14 L17 L20 = -: Description: FIXED IND 2.2UH 4.7A 28.6MOHM SM; Category: Inductors; CategorySort: 300; Manufacturer: TDK Corporation; Manufacturer Part Number: VLS5045EX-2R2N; cad-reference: VLS5045EX-2R2N
L5-L8 L11-L13 L15 L16 L18 L19 = -: Description: FIXED IND 3.3UH 4.2A 35.1MOHM SM; Category: Inductors; CategorySort: 300; Manufacturer: TDK Corporation; Manufacturer Part Number: VLS5045EX-3R3N; cad-reference: VLS5045EX-3R3N
M1-M4 = -: Description: M3 screw hole ISO standard 3.6mm clearance 16 conductivity holes 6.3mm pad size; Manufacturer: Example; flags: NO_BOM; ki_fp_filters: example:M3
Q1 = -: Description: MOSFET N-CH 60V 7A DFN-6L(2x2); Manufacturer: HUASHUO
Q4-Q7 = -: Description: MOSFET N-CH 25V 220MA SOT-23; Manufacturer: OnSemi; ki_fp_filters: example:SOT-23
R1 R5 R69 R76 R88 R95 R105 R106 R113 R114 R122 R172-R174 R210-R212 = -: Description: RES 40.2K OHM 1/10W 1% 0402 SMD; Manufacturer: Panasonic Electronic Components; Manufacturer Part Number: ERJ-2RKF4022X; cad-reference: ERJ-2RKF4022X; ki_fp_filters: example:R0402_0.40MM_HD
R2 = -: Description: RES 14K OHM 1/10W 1% 0402 SMD; Manufacturer: Panasonic Electronic Components; Manufacturer Part Number: ERJ-2RKF1402X; cad-reference: ERJ-2RKF1402X; ki_fp_filters: example:R0402_0.40MM_HD
R3 R4 R17-R20 R22 R35 R45 R153 R163-R165 R191 R193 R194 R201-R203 R225-R234 = -: Description: RES 100 OHM 1/10W 1% 0603 SMD; Manufacturer: Panasonic Electronic Components; Manufacturer Part Number: ERJ-3EKF1000V; cad-reference: ERJ-3EKF1000V; ki_fp_filters: example:R0603_0.55MM_HD
R6 R13 R16 R23 R28 R29 R36 R46 R47 R49-R53 R60-R62 R64-R66 R72 R74 R79 R80 R91 R92 R98 R99 R107 R128 R154-R156 R181-R188 R192 R219-R224 = -: Description: RES 10K OHM 1/10W 1% 0402 SMD; Manufacturer: Panasonic Electronic Components; Manufacturer Part Number: ERJ-2RKF1002X; cad-reference: ERJ-2RKF1002X; ki_fp_filters: example:R0402_0.40MM_HD
R7 R10-R12 R14 R15 R21 R32-R34 R178-R180 R216-R218 = -: Description: RES 3.74K OHM 1/10W 1% 0402 SMD; Manufacturer: Panasonic Electronic Components; Manufacturer Part Number: ERJ-2RKF3741X; cad-reference: ERJ-2RKF3741X; ki_fp_filters: example:R0402_0.40MM_HD
R8 R140 = -: Description: RES 4.7K OHM 1/10W 1% 0603 SMD; Manufacturer: Panasonic Electronic Components; Manufacturer Part Number: ERJ-3EKF4701V; cad-reference: ERJ-3EKF4701V; ki_fp_filters: example:R0603_0.55MM_HD
